# Altium PCB top_LM358.PcbDoc (part 6 of 6)
Units mil, origin at the board's own origin, x right, y up, seen from the top; angles counter-clockwise.
Board outline 10480 x 5830 mil, 2 copper layers (Top Layer, Bottom Layer); 771 components, 701 nets, 1994 pads, 493 vias.
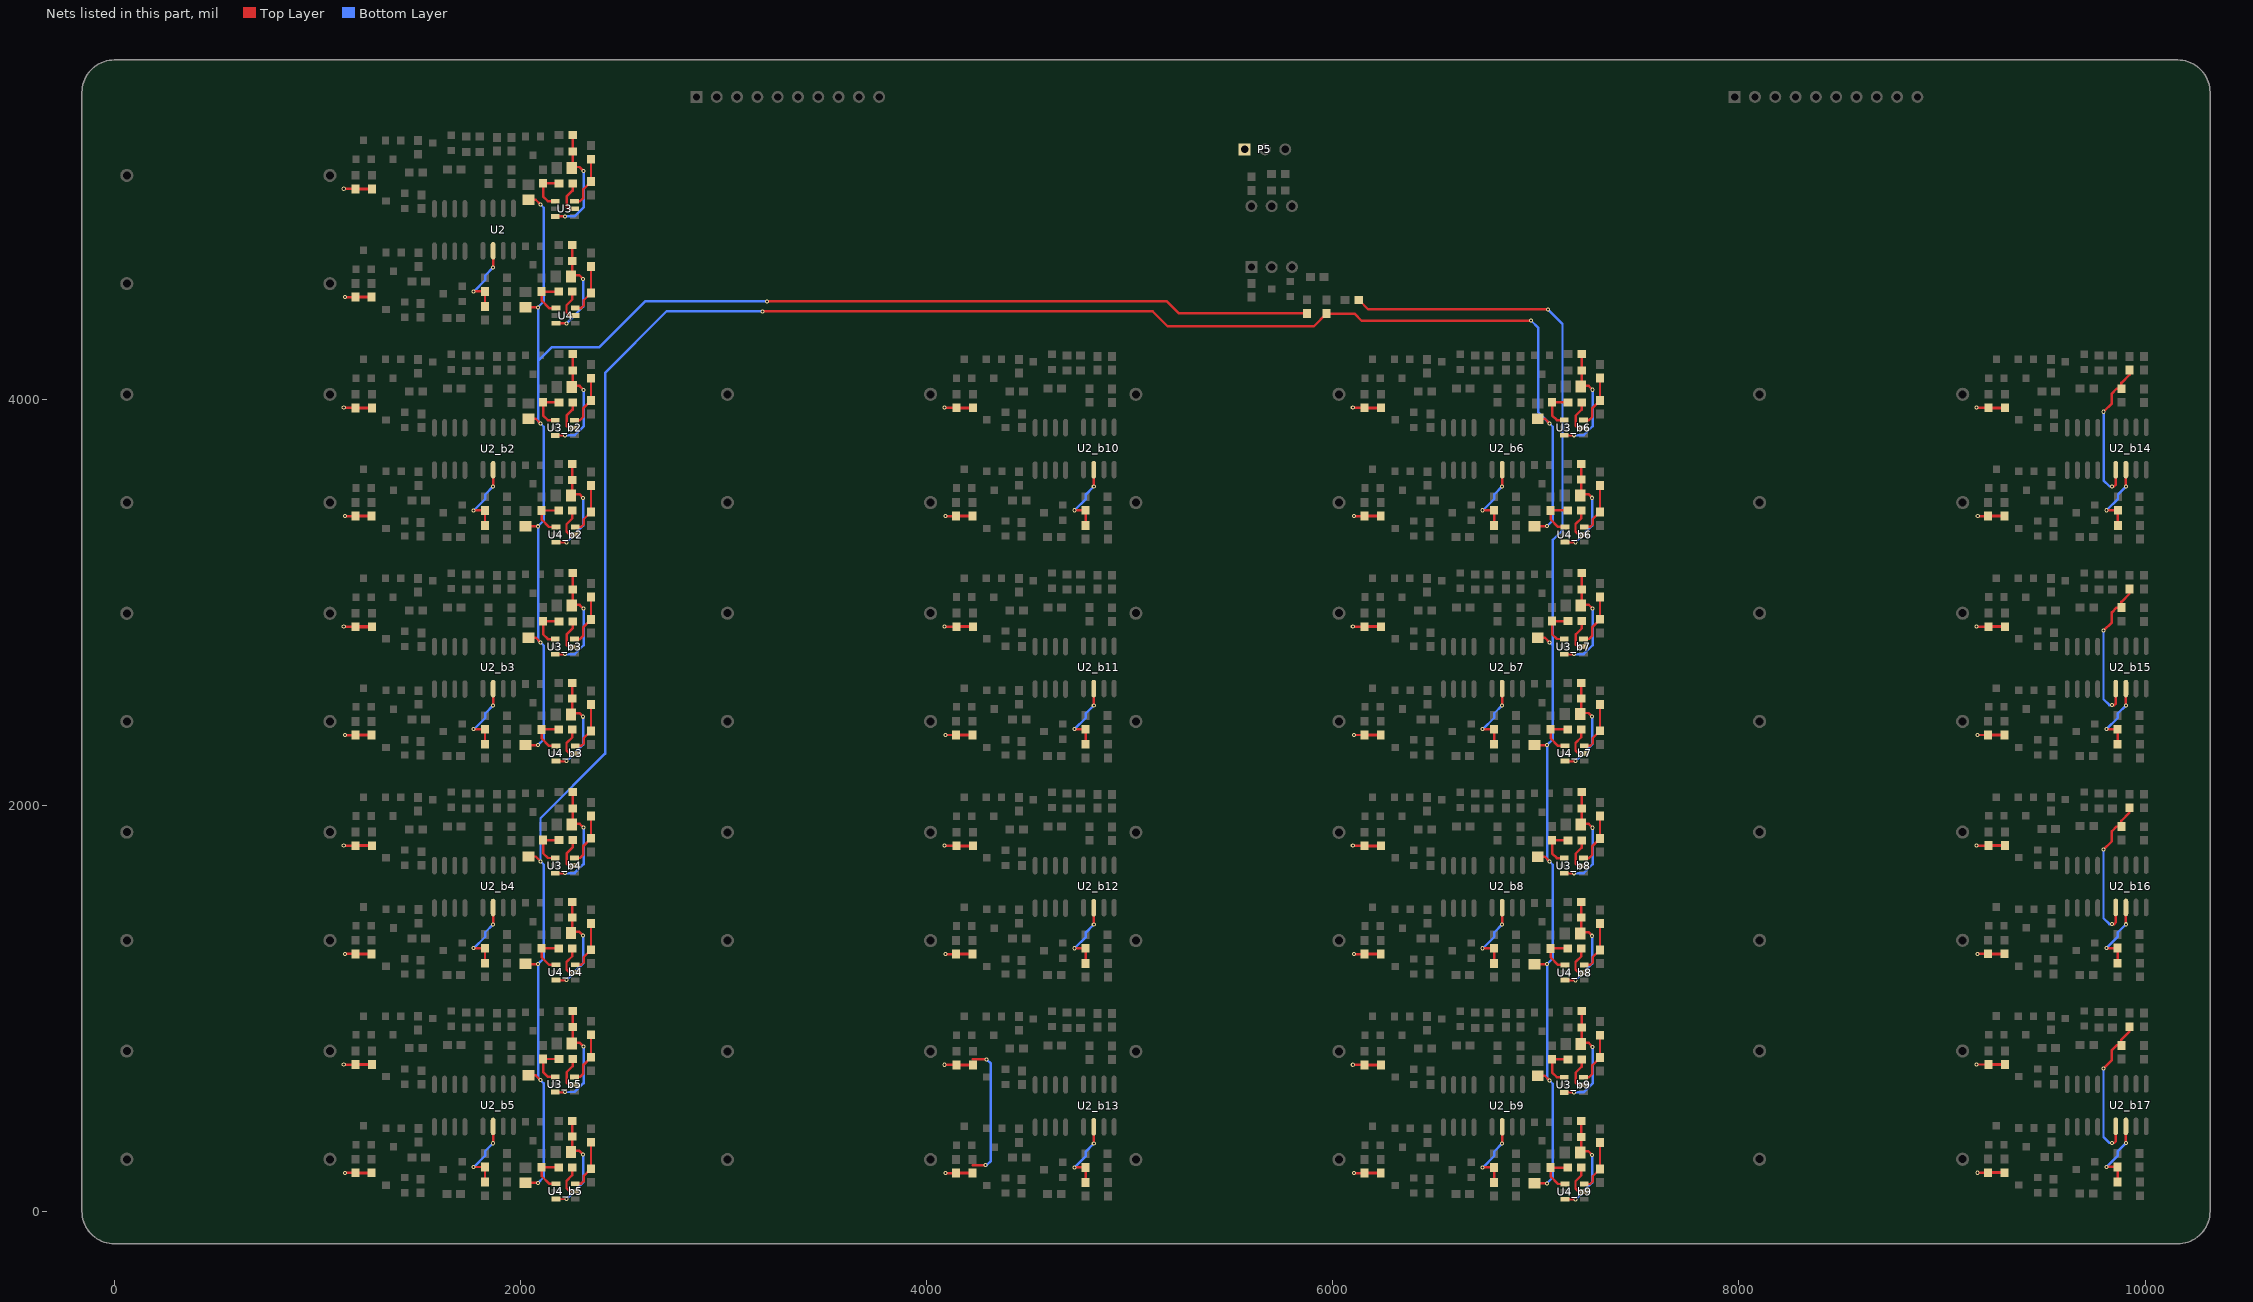
[diagram p6: the nets of this part, all layers, seen from the top]

## Via types
v1: diameter 20, hole 10, Top Layer to Bottom Layer, 402 vias
v2: diameter 40, hole 20, Top Layer to Bottom Layer, 53 vias
v3: diameter 30, hole 15, Top Layer to Bottom Layer, 34 vias
v4: diameter 125.98, hole 125.98, Top Layer to Bottom Layer, 4 vias

## Nets (pads, with @x,y where several pads share a name; then routed paths per layer and width w, separated by ;. In a path a pad name is that pad's centre, name@x,y a point inside that pad or via, vN(x,y) a via of type N, cw(c..) or ccw(c..) an arc to the next point about the centre after c; other vN are vias at no path point) (continued)
NetR47_b14_2: R47_b14.2 R48_b14.1 U2_b14.5 | length 759.5
  Top Layer w12: v1(9795.82,3937.58) 9836.82,3978.58 9836.82,4027.58 9860.29,4051.05 R48_b14.1@9883.82,4051.05 9883.82,4079.58 9923.82,4119.58 R47_b14.2@9923.82,4143.12 ; v1(9836.82,3570.58) 9847.82,3570.58 9855.82,3578.58 U2_b14.5@9855.82,3652.37
  Bottom Layer w12: v1(9795.82,3937.58) 9795.82,3599.58 9824.82,3570.58 v1(9836.82,3570.58)
NetR47_b15_2: R47_b15.2 R48_b15.1 U2_b15.5 | length 759.5
  Top Layer w12: v1(9795.57,2859.58) 9836.57,2900.58 9836.57,2949.58 9860.04,2973.05 R48_b15.1@9883.57,2973.05 9883.57,3001.58 9923.57,3041.58 R47_b15.2@9923.57,3065.12 ; v1(9836.57,2492.58) 9847.57,2492.58 9855.57,2500.58 U2_b15.5@9855.57,2574.37
  Bottom Layer w12: v1(9795.57,2859.58) 9795.57,2521.58 9824.57,2492.58 v1(9836.57,2492.58)
NetR47_b16_2: R47_b16.2 R48_b16.1 U2_b16.5 | length 759.5
  Top Layer w12: v1(9795.57,1781.58) 9836.57,1822.58 9836.57,1871.58 9860.04,1895.05 R48_b16.1@9883.57,1895.05 9883.57,1923.58 9923.57,1963.58 R47_b16.2@9923.57,1987.12 ; v1(9836.57,1414.58) 9847.57,1414.58 9855.57,1422.58 U2_b16.5@9855.57,1496.37
  Bottom Layer w12: v1(9795.57,1781.58) 9795.57,1443.58 9824.57,1414.58 v1(9836.57,1414.58)
NetR47_b17_2: R47_b17.2 R48_b17.1 U2_b17.5 | length 759.5
  Top Layer w12: v1(9795.57,703.58) 9836.57,744.58 9836.57,793.58 9860.04,817.05 R48_b17.1@9883.57,817.05 9883.57,845.58 9923.57,885.58 R47_b17.2@9923.57,909.12 ; v1(9836.57,336.58) 9847.57,336.58 9855.57,344.58 U2_b17.5@9855.57,418.37
  Bottom Layer w12: v1(9795.57,703.58) 9795.57,365.58 9824.57,336.58 v1(9836.57,336.58)
NetR49_2: R49.2 R50.1 U2.6 | length 370.4
  Top Layer w12: v1(1768.82,4530.58) 1824.36,4530.58 R49.2@1824.82,4530.12 R50.1@1824.82,4456.05 ; v1(1864.82,4647.58) U2.6@1864.82,4730.37
  Bottom Layer w12: v1(1768.82,4530.58) 1769.82,4530.58 1825.82,4586.58 1825.82,4608.58 v1(1864.82,4647.58)
NetR49_b2_2: R49_b2.2 R50_b2.1 U2_b2.6 | length 370.4
  Top Layer w12: v1(1768.82,3452.26) 1824.36,3452.26 R49_b2.2@1824.82,3451.8 R50_b2.1@1824.82,3377.72 ; v1(1864.82,3569.26) U2_b2.6@1864.82,3652.05
  Bottom Layer w12: v1(1768.82,3452.26) 1769.82,3452.26 1825.82,3508.26 1825.82,3530.26 v1(1864.82,3569.26)
NetR49_b3_2: R49_b3.2 R50_b3.1 U2_b3.6 | length 370.4
  Top Layer w12: v1(1768.82,2374.26) 1824.36,2374.26 R49_b3.2@1824.82,2373.8 R50_b3.1@1824.82,2299.72 ; v1(1864.82,2491.26) U2_b3.6@1864.82,2574.05
  Bottom Layer w12: v1(1768.82,2374.26) 1769.82,2374.26 1825.82,2430.26 1825.82,2452.26 v1(1864.82,2491.26)
NetR49_b4_2: R49_b4.2 R50_b4.1 U2_b4.6 | length 370.4
  Top Layer w12: v1(1768.82,1296.26) 1824.36,1296.26 R49_b4.2@1824.82,1295.8 R50_b4.1@1824.82,1221.72 ; v1(1864.82,1413.26) U2_b4.6@1864.82,1496.05
  Bottom Layer w12: v1(1768.82,1296.26) 1769.82,1296.26 1825.82,1352.26 1825.82,1374.26 v1(1864.82,1413.26)
NetR49_b5_2: R49_b5.2 R50_b5.1 U2_b5.6 | length 370.4
  Top Layer w12: v1(1768.82,218.26) 1824.36,218.26 R49_b5.2@1824.82,217.8 R50_b5.1@1824.82,143.72 ; v1(1864.82,335.26) U2_b5.6@1864.82,418.05
  Bottom Layer w12: v1(1768.82,218.26) 1769.82,218.26 1825.82,274.26 1825.82,296.26 v1(1864.82,335.26)
NetR49_b6_2: R49_b6.2 R50_b6.1 U2_b6.6 | length 370.4
  Top Layer w12: v1(6738.08,3452.58) 6793.61,3452.58 R49_b6.2@6794.08,3452.12 R50_b6.1@6794.08,3378.05 ; v1(6834.08,3569.58) U2_b6.6@6834.08,3652.37
  Bottom Layer w12: v1(6738.08,3452.58) 6739.08,3452.58 6795.08,3508.58 6795.08,3530.58 v1(6834.08,3569.58)
NetR49_b7_2: R49_b7.2 R50_b7.1 U2_b7.6 | length 370.4
  Top Layer w12: v1(6738.08,2374.58) 6793.61,2374.58 R49_b7.2@6794.08,2374.12 R50_b7.1@6794.08,2300.05 ; v1(6834.08,2491.58) U2_b7.6@6834.08,2574.37
  Bottom Layer w12: v1(6738.08,2374.58) 6739.08,2374.58 6795.08,2430.58 6795.08,2452.58 v1(6834.08,2491.58)
NetR49_b8_2: R49_b8.2 R50_b8.1 U2_b8.6 | length 370.4
  Top Layer w12: v1(6738.08,1295.58) 6793.61,1295.58 R49_b8.2@6794.08,1295.12 R50_b8.1@6794.08,1221.05 ; v1(6834.08,1412.58) U2_b8.6@6834.08,1495.37
  Bottom Layer w12: v1(6738.08,1295.58) 6739.08,1295.58 6795.08,1351.58 6795.08,1373.58 v1(6834.08,1412.58)
NetR49_b9_2: R49_b9.2 R50_b9.1 U2_b9.6 | length 370.4
  Top Layer w12: v1(6738.08,216.58) 6793.61,216.58 R49_b9.2@6794.08,216.12 R50_b9.1@6794.08,142.05 ; v1(6834.08,333.58) U2_b9.6@6834.08,416.37
  Bottom Layer w12: v1(6738.08,216.58) 6739.08,216.58 6795.08,272.58 6795.08,294.58 v1(6834.08,333.58)
NetR49_b10_2: R49_b10.2 R50_b10.1 U2_b10.6 | length 370.4
  Top Layer w12: v1(4726.82,3452.58) 4782.36,3452.58 R49_b10.2@4782.82,3452.12 R50_b10.1@4782.82,3378.05 ; v1(4822.82,3569.58) U2_b10.6@4822.82,3652.37
  Bottom Layer w12: v1(4726.82,3452.58) 4727.82,3452.58 4783.82,3508.58 4783.82,3530.58 v1(4822.82,3569.58)
NetR49_b11_2: R49_b11.2 R50_b11.1 U2_b11.6 | length 370.4
  Top Layer w12: v1(4726.82,2374.58) 4782.36,2374.58 R49_b11.2@4782.82,2374.12 R50_b11.1@4782.82,2300.05 ; v1(4822.82,2491.58) U2_b11.6@4822.82,2574.37
  Bottom Layer w12: v1(4726.82,2374.58) 4727.82,2374.58 4783.82,2430.58 4783.82,2452.58 v1(4822.82,2491.58)
NetR49_b12_2: R49_b12.2 R50_b12.1 U2_b12.6 | length 370.4
  Top Layer w12: v1(4726.82,1295.58) 4782.36,1295.58 R49_b12.2@4782.82,1295.12 R50_b12.1@4782.82,1221.05 ; v1(4822.82,1412.58) U2_b12.6@4822.82,1495.37
  Bottom Layer w12: v1(4726.82,1295.58) 4727.82,1295.58 4783.82,1351.58 4783.82,1373.58 v1(4822.82,1412.58)
NetR49_b13_2: R49_b13.2 R50_b13.1 U2_b13.6 | length 370.4
  Top Layer w12: v1(4726.82,216.58) 4782.36,216.58 R49_b13.2@4782.82,216.12 R50_b13.1@4782.82,142.05 ; v1(4822.82,333.58) U2_b13.6@4822.82,416.37
  Bottom Layer w12: v1(4726.82,216.58) 4727.82,216.58 4783.82,272.58 4783.82,294.58 v1(4822.82,333.58)
NetR49_b14_2: R49_b14.2 R50_b14.1 U2_b14.6 | length 370.4
  Top Layer w12: v1(9809.82,3452.58) 9865.36,3452.58 R49_b14.2@9865.82,3452.12 R50_b14.1@9865.82,3378.05 ; v1(9905.82,3569.58) U2_b14.6@9905.82,3652.37
  Bottom Layer w12: v1(9809.82,3452.58) 9810.82,3452.58 9866.82,3508.58 9866.82,3530.58 v1(9905.82,3569.58)
NetR49_b15_2: R49_b15.2 R50_b15.1 U2_b15.6 | length 370.4
  Top Layer w12: v1(9809.57,2374.58) 9865.11,2374.58 R49_b15.2@9865.57,2374.12 R50_b15.1@9865.57,2300.05 ; v1(9905.57,2491.58) U2_b15.6@9905.57,2574.37
  Bottom Layer w12: v1(9809.57,2374.58) 9810.57,2374.58 9866.57,2430.58 9866.57,2452.58 v1(9905.57,2491.58)
NetR49_b16_2: R49_b16.2 R50_b16.1 U2_b16.6 | length 370.4
  Top Layer w12: v1(9809.57,1296.58) 9865.11,1296.58 R49_b16.2@9865.57,1296.12 R50_b16.1@9865.57,1222.05 ; v1(9905.57,1413.58) U2_b16.6@9905.57,1496.37
  Bottom Layer w12: v1(9809.57,1296.58) 9810.57,1296.58 9866.57,1352.58 9866.57,1374.58 v1(9905.57,1413.58)
NetR49_b17_2: R49_b17.2 R50_b17.1 U2_b17.6 | length 370.4
  Top Layer w12: v1(9809.57,218.58) 9865.11,218.58 R49_b17.2@9865.57,218.12 R50_b17.1@9865.57,144.05 ; v1(9905.57,335.58) U2_b17.6@9905.57,418.37
  Bottom Layer w12: v1(9809.57,218.58) 9810.57,218.58 9866.57,274.58 9866.57,296.58 v1(9905.57,335.58)
NetR51_2: R51.2 R52.1 U3.1 | length 212.1
  Top Layer w12: U3.1@2170.76,4974.4 2134.6,4974.4 2111,4998 R52.1@2111,5062.54 R51.2@2189,5062.54
NetR51_b2_2: R51_b2.2 R52_b2.1 U3_b2.1 | length 212.1
  Top Layer w12: U3_b2.1@2170.76,3896.08 2134.6,3896.08 2111,3919.68 R52_b2.1@2111,3984.21 R51_b2.2@2189,3984.21
NetR51_b3_2: R51_b3.2 R52_b3.1 U3_b3.1 | length 212.1
  Top Layer w12: U3_b3.1@2170.76,2818.08 2134.6,2818.08 2111,2841.68 R52_b3.1@2111,2906.21 R51_b3.2@2189,2906.21
NetR51_b4_2: R51_b4.2 R52_b4.1 U3_b4.1 | length 212.1
  Top Layer w12: U3_b4.1@2170.76,1740.08 2134.6,1740.08 2111,1763.68 R52_b4.1@2111,1828.21 R51_b4.2@2189,1828.21
NetR51_b5_2: R51_b5.2 R52_b5.1 U3_b5.1 | length 212.1
  Top Layer w12: U3_b5.1@2170.76,662.08 2134.6,662.08 2111,685.68 R52_b5.1@2111,750.21 R51_b5.2@2189,750.21
NetR51_b6_2: R51_b6.2 R52_b6.1 U3_b6.1 | length 212.1
  Top Layer w12: U3_b6.1@7140.01,3896.4 7103.85,3896.4 7080.25,3920 R52_b6.1@7080.25,3984.54 R51_b6.2@7158.25,3984.54
NetR51_b7_2: R51_b7.2 R52_b7.1 U3_b7.1 | length 212.1
  Top Layer w12: U3_b7.1@7140.01,2818.4 7103.85,2818.4 7080.25,2842 R52_b7.1@7080.25,2906.54 R51_b7.2@7158.25,2906.54
NetR51_b8_2: R51_b8.2 R52_b8.1 U3_b8.1 | length 212.1
  Top Layer w12: U3_b8.1@7140.01,1739.4 7103.85,1739.4 7080.25,1763 R52_b8.1@7080.25,1827.54 R51_b8.2@7158.25,1827.54
NetR51_b9_2: R51_b9.2 R52_b9.1 U3_b9.1 | length 212.1
  Top Layer w12: U3_b9.1@7140.01,660.4 7103.85,660.4 7080.25,684 R52_b9.1@7080.25,748.54 R51_b9.2@7158.25,748.54
NetR51_b10_2: 
NetR51_b11_2: 
NetR51_b12_2: 
NetR51_b13_2: 
NetR51_b14_2: 
NetR51_b15_2: 
NetR51_b16_2: 
NetR51_b17_2: 
NetR53_1: R53.1 R54.1 U4.1 | length 213.5
  Top Layer w12: U4.1@2174.76,4448.4 2140.6,4448.4 2104,4485 R54.1@2104,4529.54 R53.1@2187,4529.54
NetR53_b2_1: R53_b2.1 R54_b2.1 U4_b2.1 | length 213.5
  Top Layer w12: U4_b2.1@2174.76,3370.08 2140.6,3370.08 2104,3406.68 R54_b2.1@2104,3451.21 R53_b2.1@2187,3451.21
NetR53_b3_1: R53_b3.1 R54_b3.1 U4_b3.1 | length 213.5
  Top Layer w12: U4_b3.1@2174.76,2292.08 2140.6,2292.08 2104,2328.68 R54_b3.1@2104,2373.21 R53_b3.1@2187,2373.21
NetR53_b4_1: R53_b4.1 R54_b4.1 U4_b4.1 | length 213.5
  Top Layer w12: U4_b4.1@2174.76,1214.08 2140.6,1214.08 2104,1250.68 R54_b4.1@2104,1295.21 R53_b4.1@2187,1295.21
NetR53_b5_1: R53_b5.1 R54_b5.1 U4_b5.1 | length 213.5
  Top Layer w12: U4_b5.1@2174.76,136.08 2140.6,136.08 2104,172.68 R54_b5.1@2104,217.21 R53_b5.1@2187,217.21
NetR53_b6_1: R53_b6.1 R54_b6.1 U4_b6.1 | length 213.5
  Top Layer w12: U4_b6.1@7144.01,3370.4 7109.85,3370.4 7073.25,3407 R54_b6.1@7073.25,3451.54 R53_b6.1@7156.25,3451.54
NetR53_b7_1: R53_b7.1 R54_b7.1 U4_b7.1 | length 213.5
  Top Layer w12: U4_b7.1@7144.01,2292.4 7109.85,2292.4 7073.25,2329 R54_b7.1@7073.25,2373.54 R53_b7.1@7156.25,2373.54
NetR53_b8_1: R53_b8.1 R54_b8.1 U4_b8.1 | length 213.5
  Top Layer w12: U4_b8.1@7144.01,1213.4 7109.85,1213.4 7073.25,1250 R54_b8.1@7073.25,1294.54 R53_b8.1@7156.25,1294.54
NetR53_b9_1: R53_b9.1 R54_b9.1 U4_b9.1 | length 213.5
  Top Layer w12: U4_b9.1@7144.01,134.4 7109.85,134.4 7073.25,171 R54_b9.1@7073.25,215.54 R53_b9.1@7156.25,215.54
NetR53_b10_1: 
NetR53_b11_1: 
NetR53_b12_1: 
NetR53_b13_1: 
NetR53_b14_1: 
NetR53_b15_1: 
NetR53_b16_1: 
NetR53_b17_1: 
OUT2: D1.2 D1_b2.2 D1_b3.2 D2.2 D2_b2.2 D2_b3.2 R29.1 | length 7046.4
  Top Layer w12: D2_b3.2@2025.6,2295.68 v1(2086,2295.68) ; D2_b2.2@2025.6,3373.68 v1(2086,3373.68) ; D2.2@2025.6,4452 v1(2086,4452) ; D1_b3.2@2040,2825.28 2074.4,2825.28 v1(2098,2801.68) ; D1_b2.2@2040,3903.28 2074.4,3903.28 v1(2098,3879.68) ; D1.2@2040,4981.6 2074.4,4981.6 v1(2098,4958) ; v1(3212.82,4481.32) 5182.82,4481.32 5242.29,4421.86 R29.1@5871.82,4421.86
  Bottom Layer w12: v1@2086,2297.68 v1(2086,2295.68) 2114,2323.68 2114,2785.68 v1(2098,2801.68) 2086,2813.68 v1(2086,3373.68) 2114,3401.68 2114,3863.68 v1(2098,3879.68) 2086,3891.68 2086,4187 ; v1(2098,4958) 2114,4942 2114,4480 v1(2086,4452) 2086,4187 ; v1@3212.44,4481.71 v1(3212.82,4481.32) 2613.32,4481.32 2388,4256 2155,4256 2086,4187
OUT5: D1_b4.2 D1_b5.2 D1_b6.2 D2_b4.2 D2_b5.2 D2_b6.2 R30.1 | length 10376.3
  Top Layer w12: D2_b5.2@2025.6,139.68 v1(2086,139.68) ; D2_b4.2@2025.6,1217.68 v1(2086,1217.68) ; D1_b5.2@2040,669.28 2074.4,669.28 v1(2098,645.68) ; D1_b4.2@2040,1747.28 2074.4,1747.28 v1(2098,1723.68) ; v1(3190.82,4432.32) 5112.82,4432.32 5186.82,4358.32 5906.29,4358.32 R30.1@5968.82,4420.86 6107.14,4420.86 6142,4386 v1(6977,4386) ; D2_b6.2@6994.85,3374 v1(7055.25,3374) ; D1_b6.2@7009.25,3903.6 7043.65,3903.6 v1(7067.25,3880)
  Bottom Layer w12: v1@2086,141.68 v1(2086,139.68) 2114,167.68 2114,629.68 v1(2098,645.68) 2086,657.68 v1(2086,1217.68) 2114,1245.68 2114,1707.68 v1(2098,1723.68) 2098,1936 2416,2254 2416,4129.14 2719.18,4432.32 v1(3190.82,4432.32) ; v1(6977,4386) 7011,4352 7011,3936.25 v1(7067.25,3880) 7083.25,3864 7083.25,3402 v1(7055.25,3374) v1@7055.25,3376
OUT8: D1_b7.2 D1_b8.2 D1_b9.2 D2_b7.2 D2_b8.2 D2_b9.2 R31.1 | length 5771.8
  Top Layer w12: R31.1@6127.46,4489 6174.46,4442 v1(7059,4442) ; D2_b9.2@6994.85,138 v1(7055.25,138) ; D2_b8.2@6994.85,1217 v1(7055.25,1217) ; D2_b7.2@6994.85,2296 v1(7055.25,2296) ; D1_b9.2@7009.25,667.6 7043.65,667.6 v1(7067.25,644) ; D1_b8.2@7009.25,1746.6 7043.65,1746.6 v1(7067.25,1723) ; D1_b7.2@7009.25,2825.6 7043.65,2825.6 v1(7067.25,2802)
  Bottom Layer w12: v1@7055.25,140 v1(7055.25,138) 7083.25,166 7083.25,628 v1(7067.25,644) 7055.25,656 v1(7055.25,1217) 7083.25,1245 7083.25,1707 v1(7067.25,1723) 7055.25,1735 v1(7055.25,2296) 7083.25,2324 7083.25,2786 ; v1(7059,4442) 7131,4370 7131,3354 7083.25,3306.25 7083.25,2786 ; v1(7067.25,2802) 7083.25,2786
OUT9: 
OUT10: 
OUT11: 
OUT12: 
OUT13: 
OUT14:  | length 675.9
  Top Layer w12: 4226.69,227.45 v1(4290.29,227.45) ; 4226.69,748.45 v1(4295.29,748.45)
  Bottom Layer w12: v1(4290.29,227.45) 4295.57,227.45 4316.44,248.32 4316.44,727.3 v1(4295.29,748.45)
OUT15: 
OUT16: 
OUT_G16: P5.1 R39.1 R39_b2.1 R39_b3.1 R39_b4.1 R39_b5.1 R39_b6.1 R39_b7.1 R39_b8.1 R39_b9.1 R39_b10.1 R39_b11.1 R39_b12.1 R39_b13.1 R39_b14.1 R39_b15.1 R39_b16.1 R39_b17.1 R40.2 R40_b2.2 R40_b3.2 R40_b4.2 R40_b5.2 R40_b6.2 R40_b7.2 R40_b8.2 R40_b9.2 R40_b10.2 R40_b11.2 R40_b12.2 R40_b13.2 R40_b14.2 R40_b15.2 R40_b16.2 R40_b17.2 R41.2 R41_b2.2 R41_b3.2 R41_b4.2 R41_b5.2 R41_b6.2 R41_b7.2 R41_b8.2 R41_b9.2 R41_b10.2 R41_b11.2 R41_b12.2 R41_b13.2 R41_b14.2 R41_b15.2 R41_b16.2 R41_b17.2 R42.2 R42_b2.2 R42_b3.2 R42_b4.2 R42_b5.2 R42_b6.2 R42_b7.2 R42_b8.2 R42_b9.2 R42_b10.2 R42_b11.2 R42_b12.2 R42_b13.2 R42_b14.2 R42_b15.2 R42_b16.2 R42_b17.2 | length 4622.5
  Top Layer w12: v1@1129.82,722.8 R39_b5.1@1187.82,722.8 ; v1@1129.82,1800.8 R39_b4.1@1187.82,1800.8 ; v1@1129.82,2878.8 R39_b3.1@1187.82,2878.8 ; v1@1129.82,3956.8 R39_b2.1@1187.82,3956.8 ; v1@1129.82,5035.12 R39.1@1187.82,5035.12 ; v1(1135.08,189.54) R41_b5.2@1186.56,189.54 ; v1(1135.08,1267.54) R41_b4.2@1186.56,1267.54 ; v1(1135.08,2345.54) R41_b3.2@1186.56,2345.54 ; v1(1135.08,3423.54) R41_b2.2@1186.56,3423.54 ; v1(1135.08,4501.86) R41.2@1186.56,4501.86 ; v1@4087.82,721.12 R39_b13.1@4145.82,721.12 ; v1@4087.82,1800.12 R39_b12.1@4145.82,1800.12 ; v1@4087.82,2879.12 R39_b11.1@4145.82,2879.12 ; v1@4087.82,3957.12 R39_b10.1@4145.82,3957.12 ; v1(4093.08,187.86) R41_b13.2@4144.56,187.86 ; v1(4093.08,1266.86) R41_b12.2@4144.56,1266.86 ; v1(4093.08,2345.86) R41_b11.2@4144.56,2345.86 ; v1(4093.08,3423.86) R41_b10.2@4144.56,3423.86 ; v1@6099.07,721.12 R39_b9.1@6157.08,721.12 ; v1@6099.07,1800.12 R39_b8.1@6157.08,1800.12 ; v1@6099.07,2879.12 R39_b7.1@6157.08,2879.12 ; v1@6099.07,3957.12 R39_b6.1@6157.08,3957.12 ; v1(6104.33,187.86) R41_b9.2@6155.82,187.86 ; v1(6104.33,1266.86) R41_b8.2@6155.82,1266.86 ; v1(6104.33,2345.86) R41_b7.2@6155.82,2345.86 ; v1(6104.33,3423.86) R41_b6.2@6155.82,3423.86 ; v1@9170.56,723.12 R39_b17.1@9228.57,723.12 ; v1@9170.56,1801.12 R39_b16.1@9228.57,1801.12 ; v1@9170.56,2879.12 R39_b15.1@9228.57,2879.12 ; v1@9170.82,3957.12 R39_b14.1@9228.82,3957.12 ; v1(9175.82,189.86) R41_b17.2@9227.31,189.86 ; v1(9175.82,1267.86) R41_b16.2@9227.31,1267.86 ; v1(9175.82,2345.86) R41_b15.2@9227.31,2345.86 ; v1(9176.08,3423.86) R41_b14.2@9227.56,3423.86
  Top Layer w15: v1(1129.08,723.54) v1@1129.82,722.8 ; v1(1129.08,1801.54) v1@1129.82,1800.8 ; v1(1129.08,2879.54) v1@1129.82,2878.8 ; v1(1129.08,3957.54) v1@1129.82,3956.8 ; v1(1129.08,5035.86) v1@1129.82,5035.12 ; R41_b5.2@1186.56,189.54 R41_b5.2@1186.82,189.8 R42_b5.2@1266.82,189.8 ; R41_b4.2@1186.56,1267.54 R41_b4.2@1186.82,1267.8 R42_b4.2@1266.82,1267.8 ; R41_b3.2@1186.56,2345.54 R41_b3.2@1186.82,2345.8 R42_b3.2@1266.82,2345.8 ; R41_b2.2@1186.56,3423.54 R41_b2.2@1186.82,3423.8 R42_b2.2@1266.82,3423.8 ; R41.2@1186.56,4501.86 R41.2@1186.82,4502.12 R42.2@1266.82,4502.12 ; R39_b5.1@1187.82,722.8 R40_b5.2@1268.82,722.8 ; R39_b4.1@1187.82,1800.8 R40_b4.2@1268.82,1800.8 ; R39_b3.1@1187.82,2878.8 R40_b3.2@1268.82,2878.8 ; R39_b2.1@1187.82,3956.8 R40_b2.2@1268.82,3956.8 ; R39.1@1187.82,5035.12 R40.2@1268.82,5035.12 ; v1(4087.08,721.86) v1@4087.82,721.12 ; v1(4087.08,1800.86) v1@4087.82,1800.12 ; v1(4087.08,2879.86) v1@4087.82,2879.12 ; v1(4087.08,3957.86) v1@4087.82,3957.12 ; R41_b13.2@4144.56,187.86 R41_b13.2@4144.82,188.12 R42_b13.2@4224.82,188.12 ; R41_b12.2@4144.56,1266.86 R41_b12.2@4144.82,1267.12 R42_b12.2@4224.82,1267.12 ; R41_b11.2@4144.56,2345.86 R41_b11.2@4144.82,2346.12 R42_b11.2@4224.82,2346.12 ; R41_b10.2@4144.56,3423.86 R41_b10.2@4144.82,3424.12 R42_b10.2@4224.82,3424.12 ; R39_b13.1@4145.82,721.12 R40_b13.2@4226.82,721.12 ; R39_b12.1@4145.82,1800.12 R40_b12.2@4226.82,1800.12 ; R39_b11.1@4145.82,2879.12 R40_b11.2@4226.82,2879.12 ; R39_b10.1@4145.82,3957.12 R40_b10.2@4226.82,3957.12 ; v1(6098.33,721.86) v1@6099.07,721.12 ; v1(6098.33,1800.86) v1@6099.07,1800.12 ; v1(6098.33,2879.86) v1@6099.07,2879.12 ; v1(6098.33,3957.86) v1@6099.07,3957.12 ; R41_b9.2@6155.82,187.86 R41_b9.2@6156.08,188.12 R42_b9.2@6236.08,188.12 ; R41_b8.2@6155.82,1266.86 R41_b8.2@6156.08,1267.12 R42_b8.2@6236.08,1267.12 ; R41_b7.2@6155.82,2345.86 R41_b7.2@6156.08,2346.12 R42_b7.2@6236.08,2346.12 ; R41_b6.2@6155.82,3423.86 R41_b6.2@6156.08,3424.12 R42_b6.2@6236.08,3424.12 ; R39_b9.1@6157.08,721.12 R40_b9.2@6238.08,721.12 ; R39_b8.1@6157.08,1800.12 R40_b8.2@6238.08,1800.12 ; R39_b7.1@6157.08,2879.12 R40_b7.2@6238.08,2879.12 ; R39_b6.1@6157.08,3957.12 R40_b6.2@6238.08,3957.12 ; v1(9169.82,723.86) v1@9170.56,723.12 ; v1(9169.82,1801.86) v1@9170.56,1801.12 ; v1(9169.82,2879.86) v1@9170.56,2879.12 ; v1(9170.08,3957.86) v1@9170.82,3957.12 ; R41_b17.2@9227.31,189.86 R41_b17.2@9227.57,190.12 R42_b17.2@9307.57,190.12 ; R41_b16.2@9227.31,1267.86 R41_b16.2@9227.57,1268.12 R42_b16.2@9307.57,1268.12 ; R41_b15.2@9227.31,2345.86 R41_b15.2@9227.57,2346.12 R42_b15.2@9307.57,2346.12 ; R41_b14.2@9227.56,3423.86 R41_b14.2@9227.82,3424.12 R42_b14.2@9307.82,3424.12 ; R39_b17.1@9228.57,723.12 R40_b17.2@9309.57,723.12 ; R39_b16.1@9228.57,1801.12 R40_b16.2@9309.57,1801.12 ; R39_b15.1@9228.57,2879.12 R40_b15.2@9309.57,2879.12 ; R39_b14.1@9228.82,3957.12 R40_b14.2@9309.82,3957.12
REF1: R51.1 U3.5 | length 170.2
  Top Layer w12: R51.1@2256.46,5062 2256.46,5026.46 2227,4997 2227,4946 2236,4937 U3.5@2265.24,4937
REF1_b2: R51_b2.1 U3_b2.5 | length 170.2
  Top Layer w12: R51_b2.1@2256.46,3983.68 2256.46,3948.14 2227,3918.68 2227,3867.68 2236,3858.68 U3_b2.5@2265.24,3858.68
REF1_b3: R51_b3.1 U3_b3.5 | length 170.2
  Top Layer w12: R51_b3.1@2256.46,2905.68 2256.46,2870.14 2227,2840.68 2227,2789.68 2236,2780.68 U3_b3.5@2265.24,2780.68
REF1_b4: R51_b4.1 U3_b4.5 | length 170.2
  Top Layer w12: R51_b4.1@2256.46,1827.68 2256.46,1792.14 2227,1762.68 2227,1711.68 2236,1702.68 U3_b4.5@2265.24,1702.68
REF1_b5: R51_b5.1 U3_b5.5 | length 170.2
  Top Layer w12: R51_b5.1@2256.46,749.68 2256.46,714.14 2227,684.68 2227,633.68 2236,624.68 U3_b5.5@2265.24,624.68
REF1_b6: R51_b6.1 U3_b6.5 | length 170.2
  Top Layer w12: R51_b6.1@7225.72,3984 7225.72,3948.46 7196.25,3919 7196.25,3868 7205.25,3859 U3_b6.5@7234.5,3859
REF1_b7: R51_b7.1 U3_b7.5 | length 170.2
  Top Layer w12: R51_b7.1@7225.72,2906 7225.72,2870.46 7196.25,2841 7196.25,2790 7205.25,2781 U3_b7.5@7234.5,2781
REF1_b8: R51_b8.1 U3_b8.5 | length 170.2
  Top Layer w12: R51_b8.1@7225.72,1827 7225.72,1791.46 7196.25,1762 7196.25,1711 7205.25,1702 U3_b8.5@7234.5,1702
REF1_b9: R51_b9.1 U3_b9.5 | length 170.2
  Top Layer w12: R51_b9.1@7225.72,748 7225.72,712.46 7196.25,683 7196.25,632 7205.25,623 U3_b9.5@7234.5,623
REF1_b10: 
REF1_b11: 
REF1_b12: 
REF1_b13: 
REF1_b14: 
REF1_b15: 
REF1_b16: 
REF1_b17: 
REF2: R53.2 U4.5 | length 164.2
  Top Layer w12: R53.2@2254.46,4529 2254.46,4490.46 2226,4462 2226,4426 2241,4411 U4.5@2269.24,4411
REF2_b2: R53_b2.2 U4_b2.5 | length 164.2
  Top Layer w12: R53_b2.2@2254.46,3450.68 2254.46,3412.14 2226,3383.68 2226,3347.68 2241,3332.68 U4_b2.5@2269.24,3332.68
REF2_b3: R53_b3.2 U4_b3.5 | length 164.2
  Top Layer w12: R53_b3.2@2254.46,2372.68 2254.46,2334.14 2226,2305.68 2226,2269.68 2241,2254.68 U4_b3.5@2269.24,2254.68
REF2_b4: R53_b4.2 U4_b4.5 | length 164.2
  Top Layer w12: R53_b4.2@2254.46,1294.68 2254.46,1256.14 2226,1227.68 2226,1191.68 2241,1176.68 U4_b4.5@2269.24,1176.68
REF2_b5: R53_b5.2 U4_b5.5 | length 164.2
  Top Layer w12: R53_b5.2@2254.46,216.68 2254.46,178.14 2226,149.68 2226,113.68 2241,98.68 U4_b5.5@2269.24,98.68
REF2_b6: R53_b6.2 U4_b6.5 | length 164.2
  Top Layer w12: R53_b6.2@7223.72,3451 7223.72,3412.46 7195.25,3384 7195.25,3348 7210.25,3333 U4_b6.5@7238.5,3333
REF2_b7: R53_b7.2 U4_b7.5 | length 164.2
  Top Layer w12: R53_b7.2@7223.72,2373 7223.72,2334.46 7195.25,2306 7195.25,2270 7210.25,2255 U4_b7.5@7238.5,2255
REF2_b8: R53_b8.2 U4_b8.5 | length 164.2
  Top Layer w12: R53_b8.2@7223.72,1294 7223.72,1255.46 7195.25,1227 7195.25,1191 7210.25,1176 U4_b8.5@7238.5,1176
REF2_b9: R53_b9.2 U4_b9.5 | length 164.2
  Top Layer w12: R53_b9.2@7223.72,215 7223.72,176.46 7195.25,148 7195.25,112 7210.25,97 U4_b9.5@7238.5,97
REF2_b10: 
REF2_b11: 
REF2_b12: 
REF2_b13: 
REF2_b14: 
REF2_b15: 
REF2_b16: 
REF2_b17: 
VIN1: R8.1 R13.2 U3.6 | length 256.5
  Top Layer w12: U3.6@2265.24,4974.4 2292.24,4974.4 2309,4991.16 2309,5033.63 R13.2@2346.69,5071.32 R8.1@2346.69,5181.39
VIN1_b2: R8_b2.1 R13_b2.2 U3_b2.6 | length 256.5
  Top Layer w12: U3_b2.6@2265.24,3896.08 2292.24,3896.08 2309,3912.84 2309,3955.31 R13_b2.2@2346.69,3993 R8_b2.1@2346.69,4103.07
VIN1_b3: R8_b3.1 R13_b3.2 U3_b3.6 | length 256.5
  Top Layer w12: U3_b3.6@2265.24,2818.08 2292.24,2818.08 2309,2834.84 2309,2877.31 R13_b3.2@2346.69,2915 R8_b3.1@2346.69,3025.07
VIN1_b4: R8_b4.1 R13_b4.2 U3_b4.6 | length 256.5
  Top Layer w12: U3_b4.6@2265.24,1740.08 2292.24,1740.08 2309,1756.84 2309,1799.31 R13_b4.2@2346.69,1837 R8_b4.1@2346.69,1947.07
VIN1_b5: R8_b5.1 R13_b5.2 U3_b5.6 | length 256.5
  Top Layer w12: U3_b5.6@2265.24,662.08 2292.24,662.08 2309,678.84 2309,721.31 R13_b5.2@2346.69,759 R8_b5.1@2346.69,869.07
VIN1_b6: R8_b6.1 R13_b6.2 U3_b6.6 | length 256.5
  Top Layer w12: U3_b6.6@7234.5,3896.4 7261.5,3896.4 7278.25,3913.16 7278.25,3955.63 R13_b6.2@7315.94,3993.32 R8_b6.1@7315.94,4103.39
VIN1_b7: R8_b7.1 R13_b7.2 U3_b7.6 | length 256.5
  Top Layer w12: U3_b7.6@7234.5,2818.4 7261.5,2818.4 7278.25,2835.16 7278.25,2877.63 R13_b7.2@7315.94,2915.32 R8_b7.1@7315.94,3025.39
VIN1_b8: R8_b8.1 R13_b8.2 U3_b8.6 | length 256.5
  Top Layer w12: U3_b8.6@7234.5,1739.4 7261.5,1739.4 7278.25,1756.16 7278.25,1798.63 R13_b8.2@7315.94,1836.32 R8_b8.1@7315.94,1946.39
VIN1_b9: R8_b9.1 R13_b9.2 U3_b9.6 | length 256.5
  Top Layer w12: U3_b9.6@7234.5,660.4 7261.5,660.4 7278.25,677.16 7278.25,719.63 R13_b9.2@7315.94,757.32 R8_b9.1@7315.94,867.39
VIN1_b10: 
VIN1_b11: 
VIN1_b12: 
VIN1_b13: 
VIN1_b14: 
VIN1_b15: 
VIN1_b16: 
VIN1_b17: 
VIN2: R21.1 R24.2 U4.6 | length 253.1
  Top Layer w12: U4.6@2269.24,4448.4 2298.4,4448.4 2311,4461 2311,4486.63 R24.2@2346.69,4522.32 R21.1@2346.69,4652.39
VIN2_b2: R21_b2.1 R24_b2.2 U4_b2.6 | length 253.1
  Top Layer w12: U4_b2.6@2269.24,3370.08 2298.4,3370.08 2311,3382.68 2311,3408.31 R24_b2.2@2346.69,3444 R21_b2.1@2346.69,3574.07
VIN2_b3: R21_b3.1 R24_b3.2 U4_b3.6 | length 253.1
  Top Layer w12: U4_b3.6@2269.24,2292.08 2298.4,2292.08 2311,2304.68 2311,2330.31 R24_b3.2@2346.69,2366 R21_b3.1@2346.69,2496.07
VIN2_b4: R21_b4.1 R24_b4.2 U4_b4.6 | length 253.1
  Top Layer w12: U4_b4.6@2269.24,1214.08 2298.4,1214.08 2311,1226.68 2311,1252.31 R24_b4.2@2346.69,1288 R21_b4.1@2346.69,1418.07
VIN2_b5: R21_b5.1 R24_b5.2 U4_b5.6 | length 253.1
  Top Layer w12: U4_b5.6@2269.24,136.08 2298.4,136.08 2311,148.68 2311,174.31 R24_b5.2@2346.69,210 R21_b5.1@2346.69,340.07
VIN2_b6: R21_b6.1 R24_b6.2 U4_b6.6 | length 253.1
  Top Layer w12: U4_b6.6@7238.5,3370.4 7267.65,3370.4 7280.25,3383 7280.25,3408.63 R24_b6.2@7315.94,3444.32 R21_b6.1@7315.94,3574.39
VIN2_b7: R21_b7.1 R24_b7.2 U4_b7.6 | length 253.1
  Top Layer w12: U4_b7.6@7238.5,2292.4 7267.65,2292.4 7280.25,2305 7280.25,2330.63 R24_b7.2@7315.94,2366.32 R21_b7.1@7315.94,2496.39
VIN2_b8: R21_b8.1 R24_b8.2 U4_b8.6 | length 253.1
  Top Layer w12: U4_b8.6@7238.5,1213.4 7267.65,1213.4 7280.25,1226 7280.25,1251.63 R24_b8.2@7315.94,1287.32 R21_b8.1@7315.94,1417.39
VIN2_b9: R21_b9.1 R24_b9.2 U4_b9.6 | length 253.1
  Top Layer w12: U4_b9.6@7238.5,134.4 7267.65,134.4 7280.25,147 7280.25,172.63 R24_b9.2@7315.94,208.32 R21_b9.1@7315.94,338.39
VIN2_b10: 
VIN2_b11: 
VIN2_b12: 
VIN2_b13: 
VIN2_b14: 
VIN2_b15: 
VIN2_b16: 
VIN2_b17: 
VOUT1: D3.2 R7.1 R32.1 U3.3 | length 556
  Top Layer w12: U3.3@2170.76,4899.6 2218.6,4899.6 v1(2219,4900) ; R7.1@2256.46,5300 R32.1@2256.46,5219 2256.46,5143.06 2290.94,5143.06 v1(2310,5124)
  Bottom Layer w12: v1(2219,4900) 2266,4900 2310,4944 v1(2310,5124)
VOUT1_b2: D3_b2.2 R7_b2.1 R32_b2.1 U3_b2.3 | length 556
  Top Layer w12: U3_b2.3@2170.76,3821.28 2218.6,3821.28 v1(2219,3821.68) ; R7_b2.1@2256.46,4221.68 R32_b2.1@2256.46,4140.68 2256.46,4064.74 2290.94,4064.74 v1(2310,4045.68)
  Bottom Layer w12: v1(2219,3821.68) 2266,3821.68 2310,3865.68 v1(2310,4045.68)
VOUT1_b3: D3_b3.2 R7_b3.1 R32_b3.1 U3_b3.3 | length 556
  Top Layer w12: U3_b3.3@2170.76,2743.28 2218.6,2743.28 v1(2219,2743.68) ; R7_b3.1@2256.46,3143.68 R32_b3.1@2256.46,3062.68 2256.46,2986.74 2290.94,2986.74 v1(2310,2967.68)
  Bottom Layer w12: v1(2219,2743.68) 2266,2743.68 2310,2787.68 v1(2310,2967.68)
VOUT1_b4: D3_b4.2 R7_b4.1 R32_b4.1 U3_b4.3 | length 556
  Top Layer w12: U3_b4.3@2170.76,1665.28 2218.6,1665.28 v1(2219,1665.68) ; R7_b4.1@2256.46,2065.68 R32_b4.1@2256.46,1984.68 2256.46,1908.74 2290.94,1908.74 v1(2310,1889.68)
  Bottom Layer w12: v1(2219,1665.68) 2266,1665.68 2310,1709.68 v1(2310,1889.68)
VOUT1_b5: D3_b5.2 R7_b5.1 R32_b5.1 U3_b5.3 | length 556
  Top Layer w12: U3_b5.3@2170.76,587.28 2218.6,587.28 v1(2219,587.68) ; R7_b5.1@2256.46,987.68 R32_b5.1@2256.46,906.68 2256.46,830.74 2290.94,830.74 v1(2310,811.68)
  Bottom Layer w12: v1(2219,587.68) 2266,587.68 2310,631.68 v1(2310,811.68)
VOUT1_b6: D3_b6.2 R7_b6.1 R32_b6.1 U3_b6.3 | length 556
  Top Layer w12: U3_b6.3@7140.01,3821.6 7187.85,3821.6 v1(7188.25,3822) ; R7_b6.1@7225.72,4222 R32_b6.1@7225.72,4141 7225.72,4065.06 7260.19,4065.06 v1(7279.25,4046)
  Bottom Layer w12: v1(7188.25,3822) 7235.25,3822 7279.25,3866 v1(7279.25,4046)
VOUT1_b7: D3_b7.2 R7_b7.1 R32_b7.1 U3_b7.3 | length 556
  Top Layer w12: U3_b7.3@7140.01,2743.6 7187.85,2743.6 v1(7188.25,2744) ; R7_b7.1@7225.72,3144 R32_b7.1@7225.72,3063 7225.72,2987.06 7260.19,2987.06 v1(7279.25,2968)
  Bottom Layer w12: v1(7188.25,2744) 7235.25,2744 7279.25,2788 v1(7279.25,2968)
VOUT1_b8: D3_b8.2 R7_b8.1 R32_b8.1 U3_b8.3 | length 556
  Top Layer w12: U3_b8.3@7140.01,1664.6 7187.85,1664.6 v1(7188.25,1665) ; R7_b8.1@7225.72,2065 R32_b8.1@7225.72,1984 7225.72,1908.06 7260.19,1908.06 v1(7279.25,1889)
  Bottom Layer w12: v1(7188.25,1665) 7235.25,1665 7279.25,1709 v1(7279.25,1889)
VOUT1_b9: D3_b9.2 R7_b9.1 R32_b9.1 U3_b9.3 | length 556
  Top Layer w12: U3_b9.3@7140.01,585.6 7187.85,585.6 v1(7188.25,586) ; R7_b9.1@7225.72,986 R32_b9.1@7225.72,905 7225.72,829.06 7260.19,829.06 v1(7279.25,810)
  Bottom Layer w12: v1(7188.25,586) 7235.25,586 7279.25,630 v1(7279.25,810)
VOUT1_b10: 
VOUT1_b11: 
VOUT1_b12: 
VOUT1_b13: 
VOUT1_b14: 
VOUT1_b15: 
VOUT1_b16: 
VOUT1_b17: 
VOUT2: D4.2 R20.1 R33.1 U4.3 | length 513.4
  Top Layer w12: U4.3@2174.76,4373.6 2175.35,4373 v1(2226,4373) ; R20.1@2254.46,4758 R33.1@2254.46,4681 2254.46,4610.06 2289.94,4610.06 v1(2308,4592)
  Bottom Layer w12: v1(2226,4373) 2308,4455 v1(2308,4592)
VOUT2_b2: D4_b2.2 R20_b2.1 R33_b2.1 U4_b2.3 | length 513.4
  Top Layer w12: U4_b2.3@2174.76,3295.28 2175.35,3294.68 v1(2226,3294.68) ; R20_b2.1@2254.46,3679.68 R33_b2.1@2254.46,3602.68 2254.46,3531.74 2289.94,3531.74 v1(2308,3513.68)
  Bottom Layer w12: v1(2226,3294.68) 2308,3376.68 v1(2308,3513.68)
VOUT2_b3: D4_b3.2 R20_b3.1 R33_b3.1 U4_b3.3 | length 513.4
  Top Layer w12: U4_b3.3@2174.76,2217.28 2175.35,2216.68 v1(2226,2216.68) ; R20_b3.1@2254.46,2601.68 R33_b3.1@2254.46,2524.68 2254.46,2453.74 2289.94,2453.74 v1(2308,2435.68)
  Bottom Layer w12: v1(2226,2216.68) 2308,2298.68 v1(2308,2435.68)
VOUT2_b4: D4_b4.2 R20_b4.1 R33_b4.1 U4_b4.3 | length 513.4
  Top Layer w12: U4_b4.3@2174.76,1139.28 2175.35,1138.68 v1(2226,1138.68) ; R20_b4.1@2254.46,1523.68 R33_b4.1@2254.46,1446.68 2254.46,1375.74 2289.94,1375.74 v1(2308,1357.68)
  Bottom Layer w12: v1(2226,1138.68) 2308,1220.68 v1(2308,1357.68)
VOUT2_b5: D4_b5.2 R20_b5.1 R33_b5.1 U4_b5.3 | length 513.4
  Top Layer w12: U4_b5.3@2174.76,61.28 2175.35,60.68 v1(2226,60.68) ; R20_b5.1@2254.46,445.68 R33_b5.1@2254.46,368.68 2254.46,297.74 2289.94,297.74 v1(2308,279.68)
  Bottom Layer w12: v1(2226,60.68) 2308,142.68 v1(2308,279.68)
VOUT2_b6: D4_b6.2 R20_b6.1 R33_b6.1 U4_b6.3 | length 513.4
  Top Layer w12: U4_b6.3@7144.01,3295.6 7144.61,3295 v1(7195.25,3295) ; R20_b6.1@7223.72,3680 R33_b6.1@7223.72,3603 7223.72,3532.06 7259.19,3532.06 v1(7277.25,3514)
  Bottom Layer w12: v1(7195.25,3295) 7277.25,3377 v1(7277.25,3514)
VOUT2_b7: D4_b7.2 R20_b7.1 R33_b7.1 U4_b7.3 | length 513.4
  Top Layer w12: U4_b7.3@7144.01,2217.6 7144.61,2217 v1(7195.25,2217) ; R20_b7.1@7223.72,2602 R33_b7.1@7223.72,2525 7223.72,2454.06 7259.19,2454.06 v1(7277.25,2436)
  Bottom Layer w12: v1(7195.25,2217) 7277.25,2299 v1(7277.25,2436)
VOUT2_b8: D4_b8.2 R20_b8.1 R33_b8.1 U4_b8.3 | length 513.4
  Top Layer w12: U4_b8.3@7144.01,1138.6 7144.61,1138 v1(7195.25,1138) ; R20_b8.1@7223.72,1523 R33_b8.1@7223.72,1446 7223.72,1375.06 7259.19,1375.06 v1(7277.25,1357)
  Bottom Layer w12: v1(7195.25,1138) 7277.25,1220 v1(7277.25,1357)
VOUT2_b9: D4_b9.2 R20_b9.1 R33_b9.1 U4_b9.3 | length 513.4
  Top Layer w12: U4_b9.3@7144.01,59.6 7144.61,59 v1(7195.25,59) ; R20_b9.1@7223.72,444 R33_b9.1@7223.72,367 7223.72,296.06 7259.19,296.06 v1(7277.25,278)
  Bottom Layer w12: v1(7195.25,59) 7277.25,141 v1(7277.25,278)
VOUT2_b10: 
VOUT2_b11: 
VOUT2_b12: 
VOUT2_b13: 
VOUT2_b14: 
VOUT2_b15: 
VOUT2_b16: 
VOUT2_b17: 
pads on no net: J1.3
copper on no net:
  other v4: 0,0 10160,0 0,5510 10160,5510

## Polygon pours and split planes (outlines as drawn)
OUT_G16 on Top Layer "OUT_G16_L01_P009" (solid, pour order 9): 0,-160 cw(c0,0) -160,0 -160,5510 cw(c0,5510) 0,5670 10160,5670 cw(c10160,5510) 10320,5510 10320,0 cw(c10160,0) 10160,-160
OUT_G16 on Bottom Layer "OUT_G16_L02_P010" (solid, pour order 10): 0,-160 cw(c0,0) -160,0 -160,5510 cw(c0,5510) 0,5670 10160,5670 cw(c10160,5510) 10320,5510 10320,0 cw(c10160,0) 10160,-160

## Keep-outs
Keep-Out Layer:
  the board outline again, w10

## Dimensions
-419,-160 to -430,5670 on Keep-Out Layer
-160,-377 to 10340,-435 on Keep-Out Layer